# Altium PCB STM32MINI.PcbDoc (part 3 of 3)
Units mm, origin at the board's own origin, x right, y up, seen from the top; angles counter-clockwise.
Board outline 100.33 x 100 mm, 2 copper layers (Top Layer, Bottom Layer); 81 components, 96 nets, 408 pads, 94 vias.
Unrouted connection lines stored in the file: 4.
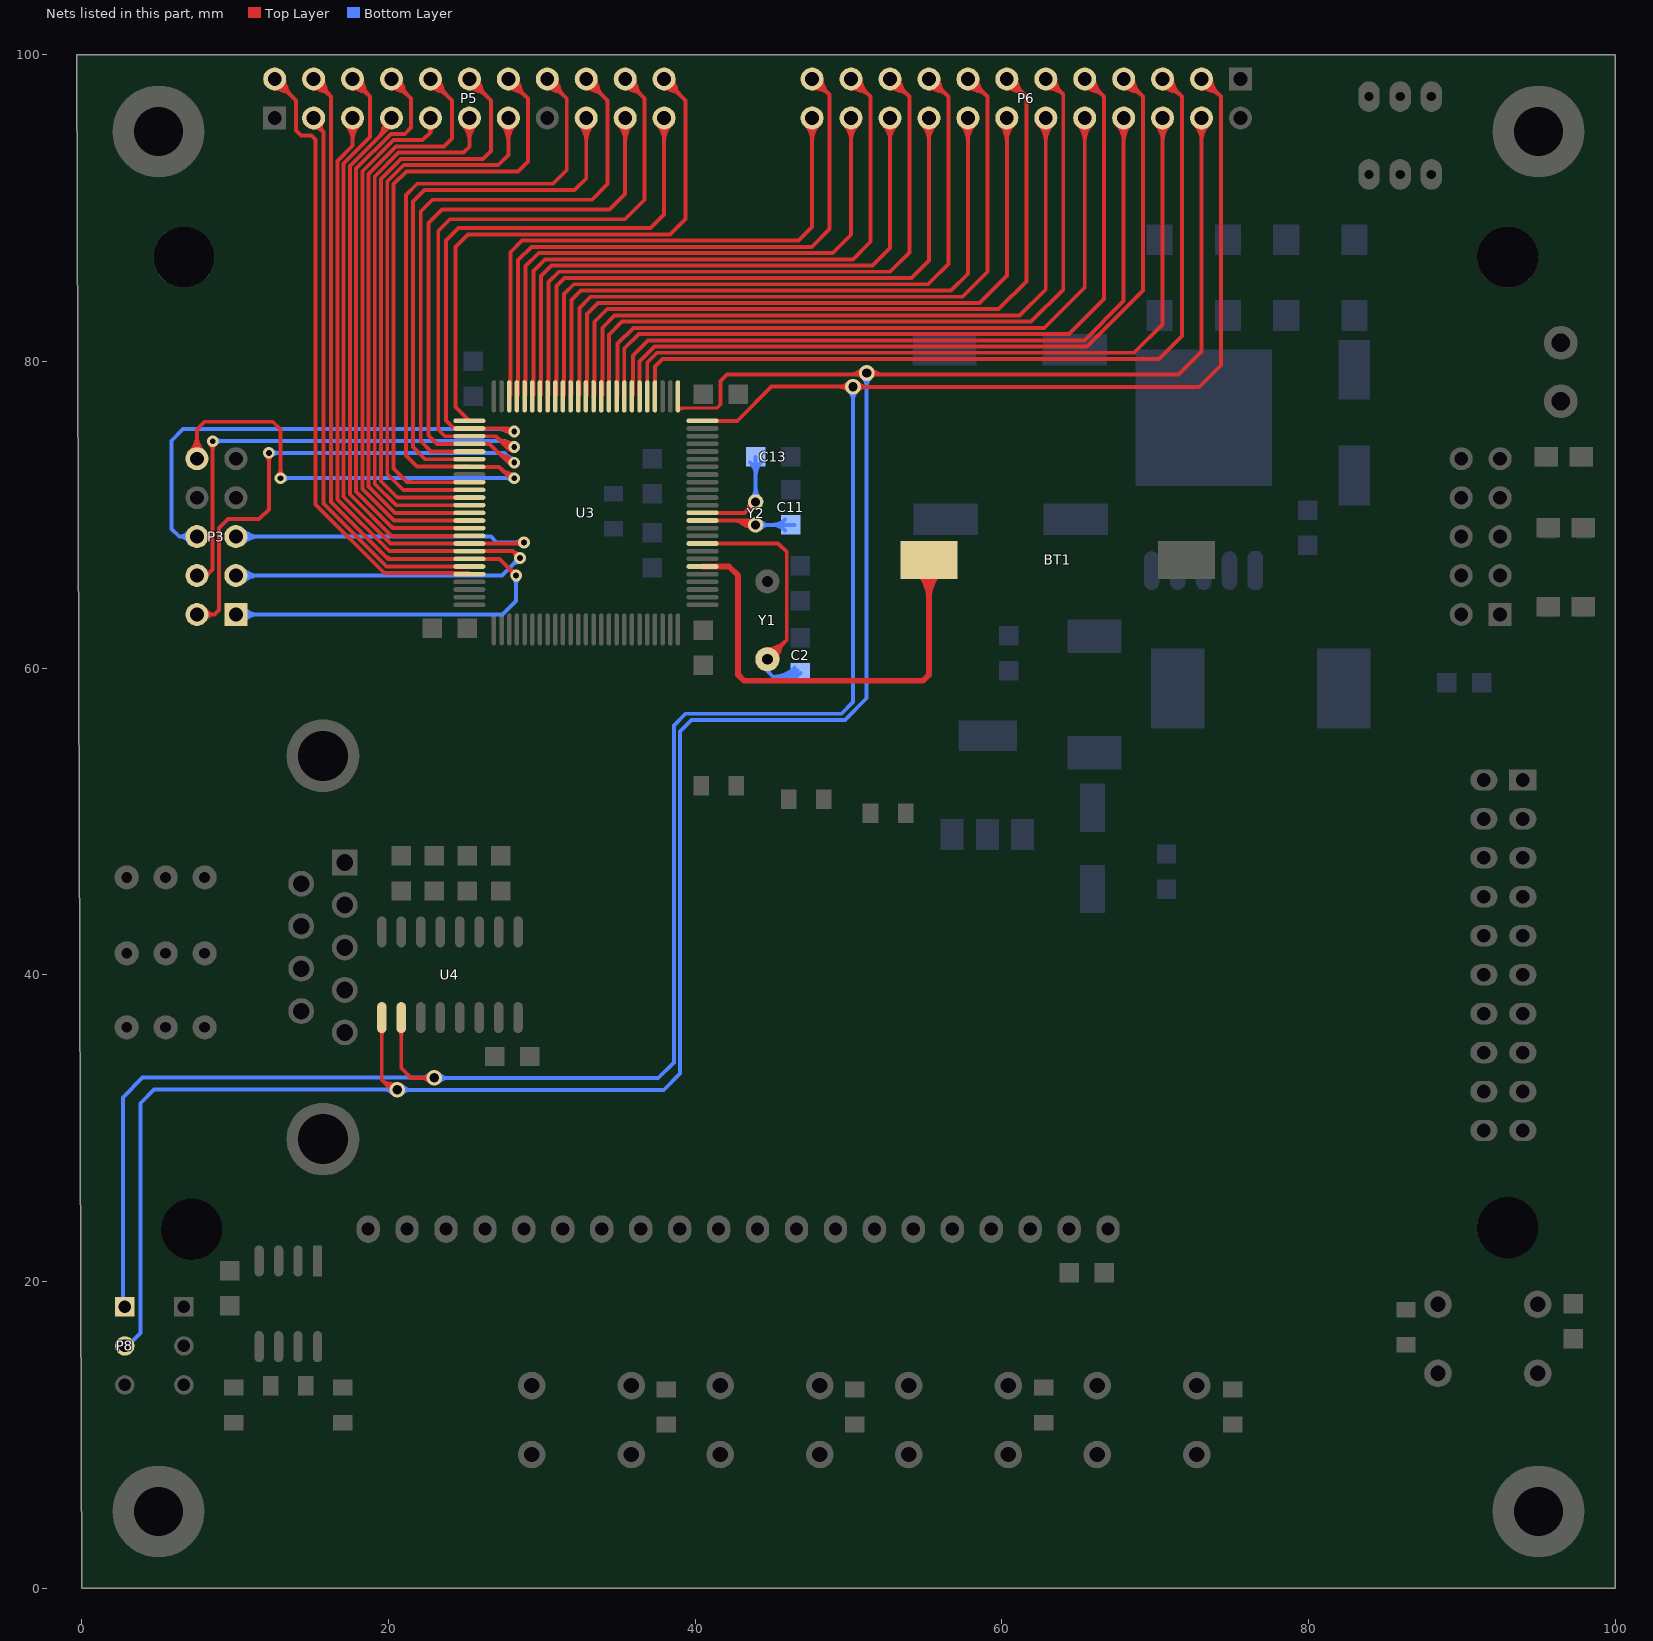
[diagram p3: the nets of this part, all layers, seen from the top]

## Via types
v1: diameter 0.762, hole 0.381, Top Layer to Bottom Layer, 38 vias
v2: diameter 0.635, hole 0.635, Top Layer to Bottom Layer, 32 vias
v3: diameter 1.016, hole 0.61, Top Layer to Bottom Layer, 15 vias
v4: diameter 1.27, hole 0.711, Top Layer to Bottom Layer, 9 vias

## Nets (pads, with @x,y where several pads share a name; then routed paths per layer and width w, separated by ;. In a path a pad name is that pad's centre, name@x,y a point inside that pad or via, vN(x,y) a via of type N, cw(c..) or ccw(c..) an arc to the next point about the centre after c; other vN are vias at no path point) (continued)
OSC32_OUT: C2.2 U3.9 Y1.1 | length 34.5
  Top Layer w0.254: U3.9@40.473,68.128 45.41,68.128 45.974,67.564 45.974,61.849 Y1.1@44.704,60.579 ; Y1.1@44.604,60.599 cw(c45.655,60.384) 45.377,61.42 ; Y1.1@44.724,60.479 ccw(c44.509,61.53) 45.545,61.252 ; 45.398,61.273 cw(c44.704,61.967) 44.704,60.985 ccw(c44.704,61.967) 45.398,61.273 ; 45.398,61.273 ccw(c46.092,60.579) 45.11,60.579 cw(c46.092,60.579) 45.398,61.273 ; 45.831,61.706 cw(c44.704,62.834) 44.704,61.239 ccw(c44.704,62.834) 45.831,61.706 ; 45.831,61.706 ccw(c46.959,60.579) 45.364,60.579 cw(c46.959,60.579) 45.831,61.706
  Bottom Layer w0.254: Y1.1@44.704,60.579 44.704,59.817 45.085,59.436 ; 46.194,59.569 ccw(c45.991,59.901) C2.2@46.369,59.809 ; 45.085,59.436 ccw(c45.085,61.383) 46.495,60.04 cw(c45.085,61.383) 45.085,59.436 ; 45.085,59.436 46.609,59.436 C2.2@46.863,59.69 ; C2.2@46.863,59.69 cw(c46.27,60.254) 46.27,59.436 ccw(c46.27,60.254) C2.2@46.863,59.69 ; 45.678,59.436 ccw(c45.678,60.819) 46.679,59.865 cw(c45.678,60.819) 45.678,59.436 ; C2.2@46.25,59.436 cw(c46.25,59.077) 46.504,59.331 ccw(c46.25,59.077) C2.2@46.25,59.436
OSC_IN: C11.2 U3.12 Y2.2 | length 19.8
  Top Layer w0.254: U3.12@40.473,69.628 43.656,69.628 Y2.2@43.942,69.342 ; 43.017,69.46 ccw(c43.266,69.891) Y2.2@43.653,69.577 ; 43.275,69.311 ccw(c43.5,69.701) Y2.2@43.85,69.417 ; Y2.2@43.581,69.247 ccw(c43.1,69.121) 43.349,69.552 ccw(c43.48,69.78) Y2.2@43.671,69.599 ; 42.351,69.628 cw(c42.351,67.751) 43.678,69.078 ccw(c42.351,67.751) 42.351,69.628 ; 42.964,69.628 cw(c42.964,68.364) 43.858,69.258 ccw(c42.964,68.364) 42.964,69.628
  Bottom Layer w0.254: Y2.2@43.942,69.342 C11.2@46.228,69.342 C11.2@46.482,69.342 ; 44.842,69.342 cw(c44.842,70.242) 44.206,69.606 ccw(c44.842,70.242) 44.842,69.342 ; 44.842,69.342 ccw(c44.842,68.442) 44.206,69.078 cw(c44.842,68.442) 44.842,69.342 ; 45.002,69.342 cw(c45.002,68.116) 45.869,68.983 ccw(c45.002,68.116) 45.002,69.342 ; 45.002,69.342 ccw(c45.002,70.568) 45.869,69.701 cw(c45.002,70.568) 45.002,69.342
OSC_OUT: C13.2 U3.13 Y2.1 | length 17.4
  Top Layer w0.254: U3.13@40.473,70.128 43.228,70.128 Y2.1@43.942,70.842 ; 43.5,70.583 cw(c44.024,70.443) Y2.1@43.915,70.974 ; 43.683,70.4 ccw(c43.543,70.924) Y2.1@44.074,70.815 ; 43.305,70.205 cw(c43.942,69.568) 43.942,70.469 ccw(c43.942,69.568) 43.305,70.205 ; 43.305,70.205 ccw(c42.669,70.842) 43.569,70.842 cw(c42.669,70.842) 43.305,70.205
  Bottom Layer w0.254: Y2.1@43.942,70.842 C13.2@43.942,73.787 ; 43.942,71.742 cw(c43.042,71.742) 43.678,71.106 ccw(c43.042,71.742) 43.942,71.742 ; 43.942,71.742 ccw(c44.842,71.742) 44.206,71.106 cw(c44.842,71.742) 43.942,71.742 ; 43.942,72.561 cw(c45.168,72.561) 44.301,73.428 ccw(c45.168,72.561) 43.942,72.561 ; 43.942,72.561 ccw(c42.716,72.561) 43.583,73.428 cw(c42.716,72.561) 43.942,72.561
PA2: P6.3 P8.1 U3.25 U4.10 | length 193.2
  Top Layer w0.254: U4.10@20.828,37.211 20.828,33.909 21.463,33.274 v3(22.987,33.274) ; U3.25@40.473,76.128 42.741,76.128 44.972,78.359 v3(50.292,78.359) 50.317,78.334 72.873,78.334 74.295,79.756 74.295,97.282 ; P6.3@72.891,98.387 ccw(c73.934,98.687) 73.66,97.637 ; P6.3@73.025,98.552 74.295,97.282 ; P6.3@73.042,98.563 cw(c72.931,97.687) 73.785,97.915 ; 20.828,36.071 cw(c21.257,36.071) 20.954,36.374 ccw(c21.257,36.071) 20.828,36.071 ; 20.828,36.071 ccw(c20.399,36.071) 20.702,36.374 cw(c20.399,36.071) 20.828,36.071 ; 22.067,33.274 cw(c22.067,32.354) 22.718,33.005 ccw(c22.067,32.354) 22.067,33.274 ; 22.067,33.274 ccw(c22.067,34.194) 22.718,33.543 cw(c22.067,34.194) 22.067,33.274 ; 49.372,78.359 cw(c49.372,77.439) 50.023,78.09 ccw(c49.372,77.439) 49.372,78.359 ; 49.372,78.359 ccw(c49.372,79.279) 50.023,78.628 cw(c49.372,79.279) 49.372,78.359 ; 74.295,97.282 ccw(c73.04,96.027) 73.029,97.802 cw(c73.04,96.027) 74.295,97.282 ; v3@50.561,78.09 cw(c51.15,77.501) 51.15,78.334 ccw(c51.15,77.501) v3@50.561,78.09 ; v3@50.561,78.628 ccw(c51.273,79.34) 51.273,78.334 cw(c51.273,79.34) v3@50.561,78.628 ; P6.3@73.027,98.056 cw(c73.034,96.881) 73.865,97.712 ccw(c73.034,96.881) P6.3@73.027,98.056 ; P6.3@73.648,98.425 ccw(c74.845,98.425) 73.999,97.578 cw(c74.845,98.425) P6.3@73.648,98.425
  Bottom Layer w0.254: P8.1@2.667,18.335 2.667,32.004 3.962,33.299 22.962,33.299 v3(22.987,33.274) 37.592,33.274 38.608,34.29 38.608,56.261 39.37,57.023 49.53,57.023 50.292,57.785 v3(50.292,78.359) ; 23.907,33.274 cw(c23.907,34.194) 23.256,33.543 ccw(c23.907,34.194) 23.907,33.274 ; 23.907,33.274 ccw(c23.907,32.354) 23.256,33.005 cw(c23.907,32.354) 23.907,33.274 ; 50.292,77.439 cw(c51.212,77.439) 50.561,78.09 ccw(c51.212,77.439) 50.292,77.439 ; 50.292,77.439 ccw(c49.372,77.439) 50.023,78.09 cw(c49.372,77.439) 50.292,77.439 ; 22.006,33.299 cw(c22.006,32.293) 22.718,33.005 ccw(c22.006,32.293) 22.006,33.299 ; 22.129,33.299 ccw(c22.129,34.132) 22.718,33.543 cw(c22.129,34.132) 22.129,33.299
PA3: P6.4 P8.2 U3.26 U4.9 | length 197.8
  Top Layer w0.203: U4.9@19.558,36.322 U4.9@19.558,37.211 ; U3.26@38.915,76.804 cw(c39.213,76.632) 39.124,76.964 ; 41.656,77.216 41.402,76.962 39.116,76.962 ; 39.116,76.962 ccw(c39.116,76.757) 38.919,76.814 cw(c39.116,76.757) 39.116,76.962 ; U3.26@38.907,76.794 cw(c39.313,76.388) 39.313,76.962 ccw(c39.313,76.388) U3.26@38.907,76.794
  Top Layer w0.254: U4.9@19.558,36.322 19.558,33.147 ; 20.004,32.898 cw(c19.975,31.948) v3@20.667,32.599 ; v3(20.574,32.512) 20.193,32.512 19.558,33.147 ; U3.26@38.873,77.205 U3.26@38.873,77.728 ; 41.656,77.216 41.656,78.74 42.062,79.146 71.526,79.146 73.025,80.645 P6.4@73.025,95.885 P6.4@73.025,96.012 ; 19.558,33.147 ccw(c20.259,33.848) 20.487,32.883 cw(c20.259,33.848) 19.558,33.147 ; 19.558,36.071 cw(c19.987,36.071) 19.684,36.374 ccw(c19.987,36.071) 19.558,36.071 ; 19.558,36.071 ccw(c19.129,36.071) 19.432,36.374 cw(c19.129,36.071) 19.558,36.071 ; 73.025,94.381 cw(c74.529,94.381) 73.466,95.444 ccw(c74.529,94.381) 73.025,94.381 ; 73.025,94.381 ccw(c71.521,94.381) 72.584,95.444 cw(c71.521,94.381) 73.025,94.381 ; 73.025,94.994 cw(c73.916,94.994) 73.286,95.624 ccw(c73.916,94.994) 73.025,94.994 ; 73.025,94.994 ccw(c72.134,94.994) 72.764,95.624 cw(c72.134,94.994) 73.025,94.994 ; 19.88,32.825 ccw(c20.382,33.326) 20.545,32.636 cw(c20.382,33.326) 19.88,32.825 ; 50.016,79.146 ccw(c50.016,80.413) 50.912,79.517 cw(c50.016,80.413) 50.016,79.146 ; 50.506,79.146 cw(c50.506,78.573) 50.912,78.979 ccw(c50.506,78.573) 50.506,79.146 ; 50.629,79.146 ccw(c50.629,79.8) 51.091,79.338 cw(c50.629,79.8) 50.629,79.146 ; v3@51.271,79.338 ccw(c51.733,79.8) 51.733,79.146 cw(c51.733,79.8) v3@51.271,79.338 ; v3@51.45,78.979 cw(c51.856,78.573) 51.856,79.146 ccw(c51.856,78.573) v3@51.45,78.979 ; v3@51.45,79.517 ccw(c52.346,80.413) 52.346,79.146 cw(c52.346,80.413) v3@51.45,79.517
  Bottom Layer w0.254: P8.2@2.794,15.795 2.968,15.795 3.81,16.637 3.81,31.623 4.699,32.512 v3(20.574,32.512) 20.599,32.487 37.948,32.487 39.014,33.553 39.014,55.88 39.751,56.617 49.759,56.617 51.181,58.039 v3(51.181,79.248) ; 19.654,32.512 cw(c19.654,31.592) 20.305,32.243 ccw(c19.654,31.592) 19.654,32.512 ; 19.654,32.512 ccw(c19.654,33.432) 20.305,32.781 cw(c19.654,33.432) 19.654,32.512 ; 51.181,78.328 cw(c52.101,78.328) 51.45,78.979 ccw(c52.101,78.328) 51.181,78.328 ; 51.181,78.328 ccw(c50.261,78.328) 50.912,78.979 cw(c50.261,78.328) 51.181,78.328 ; v3@20.843,32.243 cw(c21.432,31.654) 21.432,32.487 ccw(c21.432,31.654) v3@20.843,32.243 ; v3@20.843,32.781 ccw(c21.555,33.493) 21.555,32.487 cw(c21.555,33.493) v3@20.843,32.781
PA4: P6.5 U3.29 | length 63.3
  Top Layer w0.254: U3.29@37.373,77.728 37.373,79.664 37.871,80.162 70.256,80.162 71.755,81.661 71.755,97.282 ; P6.5@70.351,98.387 ccw(c71.394,98.687) 71.12,97.637 ; P6.5@70.485,98.552 71.755,97.282 ; P6.5@70.502,98.563 cw(c70.391,97.687) 71.245,97.915 ; 71.755,97.282 ccw(c70.5,96.027) 70.489,97.802 cw(c70.5,96.027) 71.755,97.282 ; P6.5@70.487,98.056 cw(c70.494,96.881) 71.325,97.712 ccw(c70.494,96.881) P6.5@70.487,98.056 ; P6.5@71.108,98.425 ccw(c72.305,98.425) 71.459,97.578 cw(c72.305,98.425) P6.5@71.108,98.425
PA5: P6.6 U3.30 | length 58
  Top Layer w0.254: U3.30@36.873,77.728 36.873,79.926 37.516,80.569 68.631,80.569 70.485,82.423 P6.6@70.485,95.885 P6.6@70.485,96.012 ; 70.485,94.381 cw(c71.989,94.381) 70.926,95.444 ccw(c71.989,94.381) 70.485,94.381 ; 70.485,94.381 ccw(c68.981,94.381) 70.044,95.444 cw(c68.981,94.381) 70.485,94.381 ; 70.485,94.994 cw(c71.376,94.994) 70.746,95.624 ccw(c71.376,94.994) 70.485,94.994 ; 70.485,94.994 ccw(c69.594,94.994) 70.224,95.624 cw(c69.594,94.994) 70.485,94.994
PA6: P6.7 U3.31 | length 60.2
  Top Layer w0.254: U3.31@36.373,77.728 36.373,80.001 37.347,80.975 65.548,80.975 69.215,84.642 69.215,97.282 ; P6.7@67.811,98.387 ccw(c68.854,98.687) 68.58,97.637 ; P6.7@67.945,98.552 69.215,97.282 ; P6.7@67.962,98.563 cw(c67.851,97.687) 68.705,97.915 ; 69.215,97.282 ccw(c67.96,96.027) 67.949,97.802 cw(c67.96,96.027) 69.215,97.282 ; P6.7@67.947,98.056 cw(c67.954,96.881) 68.785,97.712 ccw(c67.954,96.881) P6.7@67.947,98.056 ; P6.7@68.568,98.425 ccw(c69.765,98.425) 68.919,97.578 cw(c69.765,98.425) P6.7@68.568,98.425
PA7: P6.8 U3.32 | length 56.2
  Top Layer w0.254: U3.32@35.873,77.728 35.944,77.799 35.944,80.394 36.932,81.382 65.38,81.382 67.945,83.947 P6.8@67.945,95.885 P6.8@67.945,96.012 ; 67.945,94.381 cw(c69.449,94.381) 68.386,95.444 ccw(c69.449,94.381) 67.945,94.381 ; 67.945,94.381 ccw(c66.441,94.381) 67.504,95.444 cw(c66.441,94.381) 67.945,94.381 ; 67.945,94.994 cw(c68.836,94.994) 68.206,95.624 ccw(c68.836,94.994) 67.945,94.994 ; 67.945,94.994 ccw(c67.054,94.994) 67.684,95.624 cw(c67.054,94.994) 67.945,94.994 ; U3.32@35.857,78.644 ccw(c35.647,78.854) 35.944,78.854 cw(c35.647,78.854) U3.32@35.857,78.644
PA11: P5.3 U3.70 | length 41.4
  Top Layer w0.254: P5.3@14.974,95.882 ccw(c15.756,95.899) 15.553,95.144 ; P5.3@15.113,95.885 15.113,95.606 15.748,94.971 ; U3.70@25.273,66.628 19.865,66.628 15.748,70.745 15.748,94.971 ; 15.748,94.971 cw(c16.115,95.337) 15.66,95.586 ccw(c16.115,95.337) 15.748,94.971 ; P5.3@15.113,95.262 cw(c15.113,94.432) 15.7,95.019 ccw(c15.113,94.432) P5.3@15.113,95.262 ; P5.3@15.437,95.708 ccw(c15.805,95.507) 15.508,95.21 cw(c15.805,95.507) P5.3@15.437,95.708
PA12: P5.2 U3.71 | length 51.3
  Top Layer w0.254: P5.2@12.437,98.397 ccw(c13.393,98.593) 13.141,97.65 ; P5.2@12.573,98.425 13.97,97.028 13.97,95.072 14.3,94.742 14.986,94.742 15.24,94.488 15.24,70.679 19.72,66.199 25.202,66.199 U3.71@25.273,66.128 ; P5.2@12.601,98.561 cw(c12.405,97.605) 13.348,97.857 ; 13.203,97.795 cw(c13.833,98.425) 12.942,98.425 ccw(c13.833,98.425) 13.203,97.795 ; 13.203,97.795 ccw(c12.573,97.165) 12.573,98.056 cw(c12.573,97.165) 13.203,97.795 ; 13.637,97.361 cw(c14.7,98.425) 13.196,98.425 ccw(c14.7,98.425) 13.637,97.361 ; 13.637,97.361 ccw(c12.573,96.298) 12.573,97.802 cw(c12.573,96.298) 13.637,97.361 ; 24.147,66.199 cw(c24.147,65.902) 24.357,66.112 ccw(c24.147,65.902) 24.147,66.199
PB0: P6.11 U3.35 | length 57.3
  Top Layer w0.254: U3.35@34.373,77.728 34.373,81.744 35.23,82.601 61.9,82.601 64.008,84.709 64.008,97.409 ; P6.11@62.743,98.359 ccw(c63.939,99.007) 63.704,97.667 ; P6.11@62.865,98.552 64.008,97.409 ; P6.11@62.882,98.563 cw(c62.771,97.687) 63.625,97.915 ; 64.008,97.409 ccw(c63.041,96.442) 62.92,97.804 cw(c63.041,96.442) 64.008,97.409 ; P6.11@62.898,98.057 cw(c62.978,97.148) 63.623,97.794 ccw(c62.978,97.148) P6.11@62.898,98.057 ; P6.11@63.488,98.425 ccw(c64.685,98.425) 63.839,97.578 cw(c64.685,98.425) P6.11@63.488,98.425
PB1: P6.12 U3.36 | length 53.8
  Top Layer w0.254: U3.36@33.873,77.728 33.944,77.799 33.944,82.204 34.747,83.007 61.163,83.007 62.865,84.709 P6.12@62.865,95.885 P6.12@62.865,96.012 ; 62.865,94.381 cw(c64.369,94.381) 63.306,95.444 ccw(c64.369,94.381) 62.865,94.381 ; 62.865,94.381 ccw(c61.361,94.381) 62.424,95.444 cw(c61.361,94.381) 62.865,94.381 ; 62.865,94.994 cw(c63.756,94.994) 63.126,95.624 ccw(c63.756,94.994) 62.865,94.994 ; 62.865,94.994 ccw(c61.974,94.994) 62.604,95.624 cw(c61.974,94.994) 62.865,94.994 ; U3.36@33.857,78.644 ccw(c33.647,78.854) 33.944,78.854 cw(c33.647,78.854) U3.36@33.857,78.644
PB2: P6.13 U3.37 | length 57.2
  Top Layer w0.254: U3.37@33.373,77.728 33.444,77.799 33.444,82.593 34.265,83.414 59.792,83.414 61.595,85.217 61.595,97.282 ; P6.13@60.191,98.387 ccw(c61.234,98.687) 60.96,97.637 ; P6.13@60.325,98.552 61.595,97.282 ; P6.13@60.342,98.563 cw(c60.231,97.687) 61.085,97.915 ; 61.595,97.282 ccw(c60.34,96.027) 60.329,97.802 cw(c60.34,96.027) 61.595,97.282 ; U3.37@33.357,78.644 ccw(c33.147,78.854) 33.444,78.854 cw(c33.147,78.854) U3.37@33.357,78.644 ; P6.13@60.327,98.056 cw(c60.334,96.881) 61.165,97.712 ccw(c60.334,96.881) P6.13@60.327,98.056 ; P6.13@60.948,98.425 ccw(c62.145,98.425) 61.299,97.578 cw(c62.145,98.425) P6.13@60.948,98.425
PB10: P6.23 U3.47 | length 49.1
  Top Layer w0.254: U3.47@28.373,77.728 28.444,77.799 28.444,86.61 29.312,87.478 47.6,87.478 48.768,88.646 48.768,97.409 ; P6.23@47.503,98.359 ccw(c48.699,99.007) 48.464,97.667 ; P6.23@47.625,98.552 48.768,97.409 ; P6.23@47.642,98.563 cw(c47.531,97.687) 48.385,97.915 ; 48.768,97.409 ccw(c47.801,96.442) 47.68,97.804 cw(c47.801,96.442) 48.768,97.409 ; U3.47@28.357,78.644 ccw(c28.147,78.854) 28.444,78.854 cw(c28.147,78.854) U3.47@28.357,78.644 ; P6.23@47.658,98.057 cw(c47.738,97.148) 48.383,97.794 ccw(c47.738,97.148) P6.23@47.658,98.057 ; P6.23@48.248,98.425 ccw(c49.445,98.425) 48.599,97.578 cw(c49.445,98.425) P6.23@48.248,98.425
PB11: P6.24 U3.48 | length 45
  Top Layer w0.254: U3.48@27.873,77.728 27.944,77.799 27.944,87.126 28.702,87.884 46.736,87.884 47.625,88.773 P6.24@47.625,95.885 P6.24@47.625,96.012 ; 47.625,94.381 cw(c49.129,94.381) 48.066,95.444 ccw(c49.129,94.381) 47.625,94.381 ; 47.625,94.381 ccw(c46.121,94.381) 47.184,95.444 cw(c46.121,94.381) 47.625,94.381 ; 47.625,94.994 cw(c48.516,94.994) 47.886,95.624 ccw(c48.516,94.994) 47.625,94.994 ; 47.625,94.994 ccw(c46.734,94.994) 47.364,95.624 cw(c46.734,94.994) 47.625,94.994 ; U3.48@27.857,78.644 ccw(c27.647,78.854) 27.944,78.854 cw(c27.647,78.854) U3.48@27.857,78.644
PC4: P6.9 U3.33 | length 59.5
  Top Layer w0.254: U3.33@35.373,77.728 35.373,80.839 36.322,81.788 64.389,81.788 66.675,84.074 66.675,97.282 ; P6.9@65.271,98.387 ccw(c66.314,98.687) 66.04,97.637 ; P6.9@65.405,98.552 66.675,97.282 ; P6.9@65.422,98.563 cw(c65.311,97.687) 66.165,97.915 ; 66.675,97.282 ccw(c65.42,96.027) 65.409,97.802 cw(c65.42,96.027) 66.675,97.282 ; P6.9@65.407,98.056 cw(c65.414,96.881) 66.245,97.712 ccw(c65.414,96.881) P6.9@65.407,98.056 ; P6.9@66.028,98.425 ccw(c67.225,98.425) 66.379,97.578 cw(c67.225,98.425) P6.9@66.028,98.425
PC5: P6.10 U3.34 | length 54.6
  Top Layer w0.254: U3.34@34.873,77.728 34.944,77.799 34.944,81.172 35.966,82.194 62.763,82.194 65.405,84.836 P6.10@65.405,95.885 P6.10@65.405,96.012 ; 65.405,94.381 cw(c66.909,94.381) 65.846,95.444 ccw(c66.909,94.381) 65.405,94.381 ; 65.405,94.381 ccw(c63.901,94.381) 64.964,95.444 cw(c63.901,94.381) 65.405,94.381 ; 65.405,94.994 cw(c66.296,94.994) 65.666,95.624 ccw(c66.296,94.994) 65.405,94.994 ; 65.405,94.994 ccw(c64.514,94.994) 65.144,95.624 cw(c64.514,94.994) 65.405,94.994 ; U3.34@34.857,78.644 ccw(c34.647,78.854) 34.944,78.854 cw(c34.647,78.854) U3.34@34.857,78.644
PC6: P5.10 U3.63 | length 48.2
  Top Layer w0.254: P5.10@22.597,98.397 ccw(c23.553,98.593) 23.301,97.65 ; P5.10@22.733,98.425 24.13,97.028 24.13,94.539 23.622,94.031 20.485,94.031 18.694,92.24 18.694,71.85 20.417,70.128 U3.63@25.273,70.128 ; P5.10@22.761,98.561 cw(c22.565,97.605) 23.508,97.857 ; 23.363,97.795 cw(c23.993,98.425) 23.102,98.425 ccw(c23.993,98.425) 23.363,97.795 ; 23.363,97.795 ccw(c22.733,97.165) 22.733,98.056 cw(c22.733,97.165) 23.363,97.795 ; 23.797,97.361 cw(c24.86,98.425) 23.356,98.425 ccw(c24.86,98.425) 23.797,97.361 ; 23.797,97.361 ccw(c22.733,96.298) 22.733,97.802 cw(c22.733,96.298) 23.797,97.361
PC7: P5.9 U3.64 | length 36.9
  Top Layer w0.254: P5.9@22.733,95.885 22.733,94.945 ; U3.64@25.273,69.628 20.342,69.628 18.288,71.682 18.288,92.409 20.317,94.437 22.225,94.437 22.733,94.945 ; 22.733,94.945 cw(c23.13,94.945) 22.976,95.311 ccw(c23.13,94.945) 22.733,94.945 ; 22.733,94.945 ccw(c22.336,94.945) 22.49,95.311 cw(c22.336,94.945) 22.733,94.945
PC8: P5.8 U3.65 | length 47.5
  Top Layer w0.254: P5.8@20.057,98.397 ccw(c21.013,98.593) 20.761,97.65 ; P5.8@20.193,98.425 21.463,97.155 21.463,95.25 21.057,94.844 20.148,94.844 17.882,92.577 17.882,71.513 20.196,69.199 20.267,69.199 ; P5.8@20.221,98.561 cw(c20.025,97.605) 20.968,97.857 ; 20.267,69.128 U3.65@25.273,69.128 ; 20.823,97.795 cw(c21.453,98.425) 20.562,98.425 ccw(c21.453,98.425) 20.823,97.795 ; 20.823,97.795 ccw(c20.193,97.165) 20.193,98.056 cw(c20.193,97.165) 20.823,97.795 ; 21.257,97.361 cw(c22.32,98.425) 20.816,98.425 ccw(c22.32,98.425) 21.257,97.361 ; 21.257,97.361 ccw(c20.193,96.298) 20.193,97.802 cw(c20.193,96.298) 21.257,97.361
PC9: P5.7 U3.66 | length 40.5
  Top Layer w0.254: 19.637,95.186 cw(c20.44,94.971) P5.7@20.223,95.774 ; P5.7@20.193,95.885 20.193,95.463 17.475,92.745 17.475,71.345 20.192,68.628 U3.66@25.273,68.628 ; 19.265,94.535 ccw(c17.915,95.885) 19.824,95.885 cw(c17.915,95.885) 19.265,94.535 ; 19.698,94.969 ccw(c18.782,95.885) 20.078,95.885 cw(c18.782,95.885) 19.698,94.969
PD8: P5.18 U3.55 | length 48.5
  Top Layer w0.254: U3.55@25.273,74.128 22.773,74.128 22.098,74.803 22.098,89.789 22.86,90.551 33.274,90.551 34.29,91.567 34.29,97.028 P5.18@32.893,98.425 ; P5.18@32.757,98.397 ccw(c33.713,98.593) 33.461,97.65 ; P5.18@32.921,98.561 cw(c32.725,97.605) 33.668,97.857 ; 33.523,97.795 cw(c34.153,98.425) 33.262,98.425 ccw(c34.153,98.425) 33.523,97.795 ; 33.523,97.795 ccw(c32.893,97.165) 32.893,98.056 cw(c32.893,97.165) 33.523,97.795 ; 33.957,97.361 cw(c35.02,98.425) 33.516,98.425 ccw(c35.02,98.425) 33.957,97.361 ; 33.957,97.361 ccw(c32.893,96.298) 32.893,97.802 cw(c32.893,96.298) 33.957,97.361
PD9: P5.17 U3.56 | length 43.4
  Top Layer w0.254: U3.56@25.273,73.628 22.384,73.628 21.59,74.422 21.59,90.424 22.352,91.186 32.131,91.186 32.893,91.948 P5.17@32.893,95.885 ; 32.893,94.381 cw(c34.397,94.381) 33.334,95.444 ccw(c34.397,94.381) 32.893,94.381 ; 32.893,94.381 ccw(c31.389,94.381) 32.452,95.444 cw(c31.389,94.381) 32.893,94.381 ; 32.893,94.994 cw(c33.784,94.994) 33.154,95.624 ccw(c33.784,94.994) 32.893,94.994 ; 32.893,94.994 ccw(c32.002,94.994) 32.632,95.624 cw(c32.002,94.994) 32.893,94.994
PD12: P5.14 U3.59 | length 48.8
  Top Layer w0.254: U3.59@25.273,72.128 21.471,72.128 21.463,72.136 21.209,72.136 20.32,73.025 20.32,91.567 21.158,92.405 28.448,92.405 29.083,93.04 29.083,97.155 P5.14@27.813,98.425 ; P5.14@27.677,98.397 ccw(c28.633,98.593) 28.381,97.65 ; P5.14@27.841,98.561 cw(c27.645,97.605) 28.588,97.857 ; 28.443,97.795 cw(c29.073,98.425) 28.182,98.425 ccw(c29.073,98.425) 28.443,97.795 ; 28.443,97.795 ccw(c27.813,97.165) 27.813,98.056 cw(c27.813,97.165) 28.443,97.795 ; 28.877,97.361 cw(c29.94,98.425) 28.436,98.425 ccw(c29.94,98.425) 28.877,97.361 ; 28.877,97.361 ccw(c27.813,96.298) 27.813,97.802 cw(c27.813,96.298) 28.877,97.361
PD13: P5.13 U3.60 | length 43.4
  Top Layer w0.254: U3.60@25.273,71.628 20.955,71.628 19.914,72.669 19.914,91.735 20.99,92.812 27.153,92.812 27.813,93.472 P5.13@27.813,95.885 ; 27.813,94.381 cw(c29.317,94.381) 28.254,95.444 ccw(c29.317,94.381) 27.813,94.381 ; 27.813,94.381 ccw(c26.309,94.381) 27.372,95.444 cw(c26.309,94.381) 27.813,94.381 ; 27.813,94.994 cw(c28.704,94.994) 28.074,95.624 ccw(c28.704,94.994) 27.813,94.994 ; 27.813,94.994 ccw(c26.922,94.994) 27.552,95.624 cw(c26.922,94.994) 27.813,94.994
PD14: P5.12 U3.61 | length 48.8
  Top Layer w0.254: P5.12@25.137,98.397 ccw(c26.093,98.593) 25.841,97.65 ; U3.61@25.273,71.128 20.566,71.128 19.507,72.187 19.507,91.904 20.822,93.218 26.162,93.218 26.67,93.726 26.67,97.028 P5.12@25.273,98.425 ; P5.12@25.301,98.561 cw(c25.105,97.605) 26.048,97.857 ; 25.903,97.795 cw(c26.533,98.425) 25.642,98.425 ccw(c26.533,98.425) 25.903,97.795 ; 25.903,97.795 ccw(c25.273,97.165) 25.273,98.056 cw(c25.273,97.165) 25.903,97.795 ; 26.337,97.361 cw(c27.4,98.425) 25.896,98.425 ccw(c27.4,98.425) 26.337,97.361 ; 26.337,97.361 ccw(c25.273,96.298) 25.273,97.802 cw(c25.273,96.298) 26.337,97.361
PD15: P5.11 U3.62 | length 43.2
  Top Layer w0.254: U3.62@25.273,70.628 20.491,70.628 19.101,72.018 19.101,92.072 20.653,93.624 24.892,93.624 25.273,94.005 P5.11@25.273,95.885 ; 25.273,94.381 cw(c26.777,94.381) 25.714,95.444 ccw(c26.777,94.381) 25.273,94.381 ; 25.273,94.381 ccw(c23.769,94.381) 24.832,95.444 cw(c23.769,94.381) 25.273,94.381 ; 25.273,94.994 cw(c26.164,94.994) 25.534,95.624 ccw(c26.164,94.994) 25.273,94.994 ; 25.273,94.994 ccw(c24.382,94.994) 25.012,95.624 cw(c24.382,94.994) 25.273,94.994
PE7: P6.14 U3.38 | length 52.2
  Top Layer w0.254: U3.38@32.873,77.728 32.944,77.799 32.944,83.109 33.655,83.82 58.547,83.82 60.325,85.598 P6.14@60.325,95.885 P6.14@60.325,96.012 ; 60.325,94.381 cw(c61.829,94.381) 60.766,95.444 ccw(c61.829,94.381) 60.325,94.381 ; 60.325,94.381 ccw(c58.821,94.381) 59.884,95.444 cw(c58.821,94.381) 60.325,94.381 ; 60.325,94.994 cw(c61.216,94.994) 60.586,95.624 ccw(c61.216,94.994) 60.325,94.994 ; 60.325,94.994 ccw(c59.434,94.994) 60.064,95.624 cw(c59.434,94.994) 60.325,94.994 ; U3.38@32.857,78.644 ccw(c32.647,78.854) 32.944,78.854 cw(c32.647,78.854) U3.38@32.857,78.644
PE8: P6.15 U3.39 | length 55.8
  Top Layer w0.254: U3.39@32.373,77.728 32.444,77.799 32.444,83.498 33.172,84.226 57.429,84.226 59.055,85.852 59.055,97.282 ; P6.15@57.651,98.387 ccw(c58.694,98.687) 58.42,97.637 ; P6.15@57.785,98.552 59.055,97.282 ; P6.15@57.802,98.563 cw(c57.691,97.687) 58.545,97.915 ; 59.055,97.282 ccw(c57.8,96.027) 57.789,97.802 cw(c57.8,96.027) 59.055,97.282 ; U3.39@32.357,78.644 ccw(c32.147,78.854) 32.444,78.854 cw(c32.147,78.854) U3.39@32.357,78.644 ; P6.15@57.787,98.056 cw(c57.794,96.881) 58.625,97.712 ccw(c57.794,96.881) P6.15@57.787,98.056 ; P6.15@58.408,98.425 ccw(c59.605,98.425) 58.759,97.578 cw(c59.605,98.425) P6.15@58.408,98.425
PE9: P6.16 U3.40 | length 51.1
  Top Layer w0.254: U3.40@31.873,77.728 31.944,77.799 31.944,84.014 32.563,84.633 56.693,84.633 57.785,85.725 P6.16@57.785,95.885 P6.16@57.785,96.012 ; 57.785,94.381 cw(c59.289,94.381) 58.226,95.444 ccw(c59.289,94.381) 57.785,94.381 ; 57.785,94.381 ccw(c56.281,94.381) 57.344,95.444 cw(c56.281,94.381) 57.785,94.381 ; 57.785,94.994 cw(c58.676,94.994) 58.046,95.624 ccw(c58.676,94.994) 57.785,94.994 ; 57.785,94.994 ccw(c56.894,94.994) 57.524,95.624 cw(c56.894,94.994) 57.785,94.994 ; U3.40@31.857,78.644 ccw(c31.647,78.854) 31.944,78.854 cw(c31.647,78.854) U3.40@31.857,78.644
PE10: P6.17 U3.41 | length 54.5
  Top Layer w0.254: U3.41@31.373,77.728 31.444,77.799 31.444,84.403 32.08,85.039 55.194,85.039 56.515,86.36 56.515,97.282 ; P6.17@55.111,98.387 ccw(c56.154,98.687) 55.88,97.637 ; P6.17@55.245,98.552 56.515,97.282 ; P6.17@55.262,98.563 cw(c55.151,97.687) 56.005,97.915 ; 56.515,97.282 ccw(c55.26,96.027) 55.249,97.802 cw(c55.26,96.027) 56.515,97.282 ; U3.41@31.357,78.644 ccw(c31.147,78.854) 31.444,78.854 cw(c31.147,78.854) U3.41@31.357,78.644 ; P6.17@55.247,98.056 cw(c55.254,96.881) 56.085,97.712 ccw(c55.254,96.881) P6.17@55.247,98.056 ; P6.17@55.868,98.425 ccw(c57.065,98.425) 56.219,97.578 cw(c57.065,98.425) P6.17@55.868,98.425
PE11: P6.18 U3.42 | length 49.6
  Top Layer w0.254: U3.42@30.873,77.728 30.944,77.799 30.944,84.919 31.471,85.446 54.102,85.446 55.245,86.589 P6.18@55.245,95.885 P6.18@55.245,96.012 ; 55.245,94.381 cw(c56.749,94.381) 55.686,95.444 ccw(c56.749,94.381) 55.245,94.381 ; 55.245,94.381 ccw(c53.741,94.381) 54.804,95.444 cw(c53.741,94.381) 55.245,94.381 ; 55.245,94.994 cw(c56.136,94.994) 55.506,95.624 ccw(c56.136,94.994) 55.245,94.994 ; 55.245,94.994 ccw(c54.354,94.994) 54.984,95.624 cw(c54.354,94.994) 55.245,94.994 ; U3.42@30.857,78.644 ccw(c30.647,78.854) 30.944,78.854 cw(c30.647,78.854) U3.42@30.857,78.644
PE12: P6.19 U3.43 | length 53
  Top Layer w0.254: U3.43@30.373,77.728 30.444,77.799 30.444,85.181 31.115,85.852 52.705,85.852 53.975,87.122 53.975,97.282 ; P6.19@52.571,98.387 ccw(c53.614,98.687) 53.34,97.637 ; P6.19@52.705,98.552 53.975,97.282 ; P6.19@52.722,98.563 cw(c52.611,97.687) 53.465,97.915 ; 53.975,97.282 ccw(c52.72,96.027) 52.709,97.802 cw(c52.72,96.027) 53.975,97.282 ; U3.43@30.357,78.644 ccw(c30.147,78.854) 30.444,78.854 cw(c30.147,78.854) U3.43@30.357,78.644 ; P6.19@52.707,98.056 cw(c52.714,96.881) 53.545,97.712 ccw(c52.714,96.881) P6.19@52.707,98.056 ; P6.19@53.328,98.425 ccw(c54.525,98.425) 53.679,97.578 cw(c54.525,98.425) P6.19@53.328,98.425
PE13: P6.20 U3.44 | length 48
  Top Layer w0.254: U3.44@29.873,77.728 29.944,77.799 29.944,85.57 30.632,86.258 51.562,86.258 52.705,87.401 P6.20@52.705,95.885 P6.20@52.705,96.012 ; 52.705,94.381 cw(c54.209,94.381) 53.146,95.444 ccw(c54.209,94.381) 52.705,94.381 ; 52.705,94.381 ccw(c51.201,94.381) 52.264,95.444 cw(c51.201,94.381) 52.705,94.381 ; 52.705,94.994 cw(c53.596,94.994) 52.966,95.624 ccw(c53.596,94.994) 52.705,94.994 ; 52.705,94.994 ccw(c51.814,94.994) 52.444,95.624 cw(c51.814,94.994) 52.705,94.994 ; U3.44@29.857,78.644 ccw(c29.647,78.854) 29.944,78.854 cw(c29.647,78.854) U3.44@29.857,78.644
PE14: P6.21 U3.45 | length 51.4
  Top Layer w0.254: U3.45@29.373,77.728 29.444,77.799 29.444,85.898 30.21,86.665 50.292,86.665 51.435,87.808 51.435,97.282 ; P6.21@50.031,98.387 ccw(c51.074,98.687) 50.8,97.637 ; P6.21@50.165,98.552 51.435,97.282 ; P6.21@50.182,98.563 cw(c50.071,97.687) 50.925,97.915 ; 51.435,97.282 ccw(c50.18,96.027) 50.169,97.802 cw(c50.18,96.027) 51.435,97.282 ; U3.45@29.357,78.644 ccw(c29.147,78.854) 29.444,78.854 cw(c29.147,78.854) U3.45@29.357,78.644 ; P6.21@50.167,98.056 cw(c50.174,96.881) 51.005,97.712 ccw(c50.174,96.881) P6.21@50.167,98.056 ; P6.21@50.788,98.425 ccw(c51.985,98.425) 51.139,97.578 cw(c51.985,98.425) P6.21@50.788,98.425
PE15: P6.22 U3.46 | length 46.3
  Top Layer w0.254: U3.46@28.873,77.728 28.944,77.799 28.944,86.221 29.794,87.071 48.971,87.071 50.165,88.265 P6.22@50.165,95.885 P6.22@50.165,96.012 ; 50.165,94.381 cw(c51.669,94.381) 50.606,95.444 ccw(c51.669,94.381) 50.165,94.381 ; 50.165,94.381 ccw(c48.661,94.381) 49.724,95.444 cw(c48.661,94.381) 50.165,94.381 ; 50.165,94.994 cw(c51.056,94.994) 50.426,95.624 ccw(c51.056,94.994) 50.165,94.994 ; 50.165,94.994 ccw(c49.274,94.994) 49.904,95.624 cw(c49.274,94.994) 50.165,94.994 ; U3.46@28.857,78.644 ccw(c28.647,78.854) 28.944,78.854 cw(c28.647,78.854) U3.46@28.857,78.644
PWM_UN: P3.6 P5.21 U3.52 | length 86.1
  Top Layer w0.254: 27.571,75.514 ccw(c27.736,75.799) v1@27.995,75.595 ; P5.21@37.973,95.885 37.973,89.586 37.084,88.697 24.562,88.697 23.749,87.884 23.749,76.145 24.266,75.628 U3.52@25.273,75.628 27.75,75.628 ; 27.75,75.628 ccw(c27.888,75.766) 28.02,75.623 cw(c27.888,75.766) 27.75,75.628 ; 27.75,75.628 27.94,75.438 v1(28.194,75.438) ; v1(28.194,75.438) ccw(c27.735,74.979) 27.735,75.628 cw(c27.735,74.979) v1(28.194,75.438) ; 37.973,94.381 cw(c39.477,94.381) 38.414,95.444 ccw(c39.477,94.381) 37.973,94.381 ; 37.973,94.381 ccw(c36.469,94.381) 37.532,95.444 cw(c36.469,94.381) 37.973,94.381 ; 37.973,94.994 cw(c38.864,94.994) 38.234,95.624 ccw(c38.864,94.994) 37.973,94.994 ; 37.973,94.994 ccw(c37.082,94.994) 37.712,95.624 cw(c37.082,94.994) 37.973,94.994 ; 24.151,75.743 ccw(c24.373,75.965) 24.373,75.651 cw(c24.373,75.965) 24.151,75.743 ; 27.122,75.628 cw(c27.122,74.366) 28.014,75.258 ccw(c27.122,74.366) 27.122,75.628
  Bottom Layer w0.254: P3.6@7.5,68.58 6.35,68.58 ; 27.629,75.481 ccw(c27.757,75.703) v1@27.977,75.57 ; 6.35,68.58 cw(c6.35,67.83) 6.978,68.24 ccw(c6.35,67.83) 6.35,68.58 ; 6.35,68.58 ccw(c6.35,69.33) 6.978,68.92 cw(c6.35,69.33) 6.35,68.58 ; 6.35,68.58 5.842,69.088 5.842,74.828 6.604,75.59 28.042,75.59 v1(28.194,75.438) ; v1(28.194,75.438) ccw(c27.826,75.07) 27.826,75.59 cw(c27.826,75.07) v1(28.194,75.438) ; 27.213,75.59 cw(c27.213,74.457) 28.014,75.258 ccw(c27.213,74.457) 27.213,75.59
PWM_UP: P3.5 P5.6 U3.67 | length 82.1
  Top Layer w0.254: P3.5@9.525,68.58 P3.5@9.977,68.128 ; P5.6@17.517,98.397 ccw(c18.473,98.593) 18.221,97.65 ; P5.6@17.653,98.425 18.796,97.282 18.796,94.641 17.069,92.914 17.069,71.177 20.118,68.128 U3.67@25.273,68.128 28.758,68.128 v1(28.829,68.199) ; P5.6@17.681,98.561 cw(c17.485,97.605) 18.428,97.857 ; 18.283,97.795 cw(c18.913,98.425) 18.022,98.425 ccw(c18.913,98.425) 18.283,97.795 ; 18.283,97.795 ccw(c17.653,97.165) 17.653,98.056 cw(c17.653,97.165) 18.283,97.795 ; 18.717,97.361 cw(c19.78,98.425) 18.276,98.425 ccw(c19.78,98.425) 18.717,97.361 ; 18.717,97.361 ccw(c17.653,96.298) 17.653,97.802 cw(c17.653,96.298) 18.717,97.361 ; 28.044,68.128 ccw(c28.044,68.984) 28.649,68.379 cw(c28.044,68.984) 28.044,68.128 ; 28.387,68.128 cw(c28.387,67.757) 28.649,68.019 ccw(c28.387,67.757) 28.387,68.128
  Bottom Layer w0.254: P3.5@10.04,68.58 26.67,68.58 27.051,68.199 v1(28.829,68.199) ; 10.931,68.58 cw(c10.931,69.471) 10.301,68.841 ccw(c10.931,69.471) 10.931,68.58 ; 10.931,68.58 ccw(c10.931,67.689) 10.301,68.319 cw(c10.931,67.689) 10.931,68.58 ; 11.544,68.58 cw(c11.544,70.084) 10.481,69.021 ccw(c11.544,70.084) 11.544,68.58 ; 11.544,68.58 ccw(c11.544,67.076) 10.481,68.139 cw(c11.544,67.076) 11.544,68.58 ; 28.216,68.199 cw(c28.216,67.586) 28.649,68.019 ccw(c28.216,67.586) 28.216,68.199 ; 28.216,68.199 ccw(c28.216,68.812) 28.649,68.379 cw(c28.216,68.812) 28.216,68.199
PWM_VN: P3.4 P5.20 U3.53 | length 93.5
  Top Layer w0.254: P3.4@7.5,66.04 8.128,66.04 8.529,66.441 v1(8.529,74.803) ; 27.662,74.779 cw(c27.496,73.958) v1(28.194,74.422) ; v1@27.972,74.299 ccw(c27.564,74.074) 27.656,74.53 ccw(c27.748,74.987) v1@28.037,74.621 ; P5.20@35.297,98.397 ccw(c36.253,98.593) 36.001,97.65 ; P5.20@35.433,98.425 36.703,97.155 36.703,90.551 35.433,89.281 24.003,89.281 23.241,88.519 23.241,75.565 23.678,75.128 U3.53@25.273,75.128 26.98,75.128 ; P5.20@35.461,98.561 cw(c35.265,97.605) 36.208,97.857 ; 8.529,74.19 cw(c9.143,74.19) 8.709,74.623 ccw(c9.143,74.19) 8.529,74.19 ; 8.529,74.19 ccw(c7.916,74.19) 8.35,74.623 cw(c7.916,74.19) 8.529,74.19 ; 26.98,75.128 ccw(c28.08,76.228) 28.178,74.675 cw(c28.08,76.228) 26.98,75.128 ; 26.98,75.128 27.686,74.422 ; 27.686,74.422 cw(c27.686,74.041) 27.991,74.27 ccw(c27.686,74.041) 27.686,74.422 ; 27.686,74.422 ccw(c27.686,74.803) 27.991,74.574 cw(c27.686,74.803) 27.686,74.422 ; 27.686,74.422 v1(28.194,74.422) ; v1(28.194,74.422) cw(c28.127,75.48) 27.378,74.73 ccw(c28.127,75.48) v1(28.194,74.422) ; 36.063,97.795 cw(c36.693,98.425) 35.802,98.425 ccw(c36.693,98.425) 36.063,97.795 ; 36.063,97.795 ccw(c35.433,97.165) 35.433,98.056 cw(c35.433,97.165) 36.063,97.795 ; 36.497,97.361 cw(c37.56,98.425) 36.056,98.425 ccw(c37.56,98.425) 36.497,97.361 ; 36.497,97.361 ccw(c35.433,96.298) 35.433,97.802 cw(c35.433,96.298) 36.497,97.361 ; 27.775,74.333 ccw(c28.174,74.732) 28.21,74.169 cw(c28.174,74.732) 27.775,74.333
  Bottom Layer w0.254: v1(8.529,74.803) 27.559,74.803 ; v1(28.194,74.422) 27.94,74.422 27.559,74.803 ; 9.143,74.803 cw(c9.143,75.416) 8.709,74.983 ccw(c9.143,75.416) 9.143,74.803 ; 9.143,74.803 ccw(c9.143,74.19) 8.709,74.623 cw(c9.143,74.19) 9.143,74.803 ; 27.559,74.803 ccw(c27.954,75.197) 28.119,74.665 cw(c27.954,75.197) 27.559,74.803
PWM_VP: P3.3 P5.5 U3.68 | length 77.7
  Top Layer w0.254: P5.5@17.653,95.885 17.653,94.073 16.662,93.082 16.662,71.008 20.043,67.628 U3.68@25.273,67.628 28.13,67.628 v1(28.575,67.183) ; 28.235,67.503 ccw(c28.664,67.618) v1(28.575,67.183) ; 28.255,67.523 cw(c28.14,67.094) v1(28.575,67.183) ; 17.653,94.381 cw(c19.157,94.381) 18.094,95.444 ccw(c19.157,94.381) 17.653,94.381 ; 17.653,94.381 ccw(c16.149,94.381) 17.212,95.444 cw(c16.149,94.381) 17.653,94.381 ; 17.653,94.994 cw(c18.544,94.994) 17.914,95.624 ccw(c18.544,94.994) 17.653,94.994 ; 17.653,94.994 ccw(c16.762,94.994) 17.392,95.624 cw(c16.762,94.994) 17.653,94.994 ; 28.141,67.617 cw(c27.708,67.183) 28.321,67.183 ccw(c27.708,67.183) 28.141,67.617 ; 28.141,67.617 ccw(c28.575,68.05) 28.575,67.437 cw(c28.575,68.05) 28.141,67.617
  Bottom Layer w0.254: P3.3@10.04,66.04 27.387,66.04 28.53,67.183 v1(28.575,67.183) ; 10.931,66.04 cw(c10.931,66.931) 10.301,66.301 ccw(c10.931,66.931) 10.931,66.04 ; 10.931,66.04 ccw(c10.931,65.149) 10.301,65.779 cw(c10.931,65.149) 10.931,66.04 ; 11.544,66.04 cw(c11.544,67.544) 10.481,66.481 ccw(c11.544,67.544) 11.544,66.04 ; 11.544,66.04 ccw(c11.544,64.536) 10.481,65.599 cw(c11.544,64.536) 11.544,66.04 ; 28.065,66.718 cw(c28.575,66.207) 28.575,66.929 ccw(c28.575,66.207) 28.065,66.718 ; 28.173,66.826 ccw(c27.816,67.183) 28.321,67.183 cw(c27.816,67.183) 28.173,66.826
PWM_WN: P3.2 P5.19 U3.54 | length 90.9
  Top Layer w0.254: P3.2@7.239,63.5 P3.2@7.5,63.5 8.636,63.5 ; v1(12.192,74.041) 12.192,70.358 11.557,69.723 9.525,69.723 8.936,69.134 8.936,63.8 8.636,63.5 ; 27.685,73.796 cw(c27.469,72.987) v1(28.194,73.406) ; v1@27.954,73.324 ccw(c27.651,73.221) 27.734,73.529 ccw(c27.817,73.838) v1@28.027,73.597 ; P5.19@35.433,95.885 35.433,90.932 34.417,89.916 23.495,89.916 22.606,89.027 22.606,75.184 23.162,74.628 U3.54@25.273,74.628 26.591,74.628 27.813,73.406 v1(28.194,73.406) ; 8.636,63.5 cw(c8.636,64.224) 8.025,63.835 ccw(c8.636,64.224) 8.636,63.5 ; 8.636,63.5 ccw(c8.636,62.776) 8.025,63.165 cw(c8.636,62.776) 8.636,63.5 ; 12.192,73.428 cw(c12.805,73.428) 12.372,73.861 ccw(c12.805,73.428) 12.192,73.428 ; 12.192,73.428 ccw(c11.579,73.428) 12.012,73.861 cw(c11.579,73.428) 12.192,73.428 ; v1(28.194,73.406) cw(c28.194,74.326) 27.544,73.675 ccw(c28.194,74.326) v1(28.194,73.406) ; 35.433,94.381 cw(c36.937,94.381) 35.874,95.444 ccw(c36.937,94.381) 35.433,94.381 ; 35.433,94.381 ccw(c33.929,94.381) 34.992,95.444 cw(c33.929,94.381) 35.433,94.381 ; 35.433,94.994 cw(c36.324,94.994) 35.694,95.624 ccw(c36.324,94.994) 35.433,94.994 ; 35.433,94.994 ccw(c34.542,94.994) 35.172,95.624 cw(c34.542,94.994) 35.433,94.994 ; 27.11,74.109 ccw(c28.194,75.193) 28.194,73.66 cw(c28.194,75.193) 27.11,74.109
  Bottom Layer w0.254: v1(12.192,74.041) 27.559,74.041 v1(28.194,73.406) ; 12.805,74.041 cw(c12.805,74.654) 12.372,74.221 ccw(c12.805,74.654) 12.805,74.041 ; 12.805,74.041 ccw(c12.805,73.428) 12.372,73.861 cw(c12.805,73.428) 12.805,74.041 ; 27.76,73.84 cw(c27.327,73.406) 27.94,73.406 ccw(c27.327,73.406) 27.76,73.84 ; 27.76,73.84 ccw(c28.194,74.273) 28.194,73.66 cw(c28.194,74.273) 27.76,73.84
PWM_WP: P3.1 P5.4 U3.69 | length 84.9
  Top Layer w0.254: P3.1@9.525,63.5 P3.1@10.04,63.5 ; P5.4@14.977,98.397 ccw(c15.933,98.593) 15.681,97.65 ; P5.4@15.113,98.425 16.256,97.282 16.256,70.84 19.875,67.222 19.968,67.222 ; P5.4@15.141,98.561 cw(c14.945,97.605) 15.888,97.857 ; 19.968,67.128 U3.69@25.273,67.128 27.233,67.128 v1(28.321,66.04) ; 27.981,66.36 ccw(c28.41,66.475) v1(28.321,66.04) ; 28.001,66.38 cw(c27.886,65.951) v1(28.321,66.04) ; 15.743,97.795 cw(c16.373,98.425) 15.482,98.425 ccw(c16.373,98.425) 15.743,97.795 ; 15.743,97.795 ccw(c15.113,97.165) 15.113,98.056 cw(c15.113,97.165) 15.743,97.795 ; 16.177,97.361 cw(c17.24,98.425) 15.736,98.425 ccw(c17.24,98.425) 16.177,97.361 ; 16.177,97.361 ccw(c15.113,96.298) 15.113,97.802 cw(c15.113,96.298) 16.177,97.361 ; 27.887,66.474 cw(c27.454,66.04) 28.067,66.04 ccw(c27.454,66.04) 27.887,66.474 ; 27.887,66.474 ccw(c28.321,66.907) 28.321,66.294 cw(c28.321,66.907) 27.887,66.474
  Bottom Layer w0.254: P3.1@10.04,63.5 27.432,63.5 28.321,64.389 v1(28.321,66.04) ; 10.931,63.5 cw(c10.931,64.391) 10.301,63.761 ccw(c10.931,64.391) 10.931,63.5 ; 10.931,63.5 ccw(c10.931,62.609) 10.301,63.239 cw(c10.931,62.609) 10.931,63.5 ; 11.544,63.5 cw(c11.544,65.004) 10.481,63.941 ccw(c11.544,65.004) 11.544,63.5 ; 11.544,63.5 ccw(c11.544,61.996) 10.481,63.059 cw(c11.544,61.996) 11.544,63.5 ; 28.321,65.427 cw(c28.934,65.427) 28.501,65.86 ccw(c28.934,65.427) 28.321,65.427 ; 28.321,65.427 ccw(c27.708,65.427) 28.141,65.86 cw(c27.708,65.427) 28.321,65.427
SWITCH: P3.10 P5.16 U3.57 | length 95
  Top Layer w0.254: P3.10@7.5,73.66 7.5,75.572 8.001,76.073 12.446,76.073 12.954,75.565 v1(12.954,72.39) ; 27.723,72.77 cw(c27.53,72.05) v1(28.194,72.39) ; P5.16@30.217,98.397 ccw(c31.173,98.593) 30.921,97.65 ; P5.16@30.353,98.425 31.623,97.155 31.623,92.481 30.734,91.592 21.869,91.592 21.133,90.856 21.133,73.863 21.845,73.151 25.25,73.151 U3.57@25.273,73.128 27.202,73.128 27.94,72.39 v1(28.194,72.39) ; P5.16@30.381,98.561 cw(c30.185,97.605) 31.128,97.857 ; 7.5,74.551 cw(c6.609,74.551) 7.239,73.921 ccw(c6.609,74.551) 7.5,74.551 ; 7.5,74.551 ccw(c8.391,74.551) 7.761,73.921 cw(c8.391,74.551) 7.5,74.551 ; 7.5,75.164 cw(c5.996,75.164) 7.059,74.101 ccw(c5.996,75.164) 7.5,75.164 ; 7.5,75.164 ccw(c9.004,75.164) 7.941,74.101 cw(c9.004,75.164) 7.5,75.164 ; 12.954,73.003 cw(c12.341,73.003) 12.774,72.57 ccw(c12.341,73.003) 12.954,73.003 ; 12.954,73.003 ccw(c13.567,73.003) 13.134,72.57 cw(c13.567,73.003) 12.954,73.003 ; v1(28.194,72.39) cw(c28.194,73.003) 27.76,72.57 ccw(c28.194,73.003) v1(28.194,72.39) ; 30.983,97.795 cw(c31.613,98.425) 30.722,98.425 ccw(c31.613,98.425) 30.983,97.795 ; 30.983,97.795 ccw(c30.353,97.165) 30.353,98.056 cw(c30.353,97.165) 30.983,97.795 ; 31.417,97.361 cw(c32.48,98.425) 30.976,98.425 ccw(c32.48,98.425) 31.417,97.361 ; 31.417,97.361 ccw(c30.353,96.298) 30.353,97.802 cw(c30.353,96.298) 31.417,97.361 ; 27.327,73.003 ccw(c28.194,73.87) 28.194,72.644 cw(c28.194,73.87) 27.327,73.003
  Bottom Layer w0.254: v1(12.954,72.39) v1(28.194,72.39) ; 13.567,72.39 cw(c13.567,73.003) 13.134,72.57 ccw(c13.567,73.003) 13.567,72.39 ; 13.567,72.39 ccw(c13.567,71.777) 13.134,72.21 cw(c13.567,71.777) 13.567,72.39 ; 27.581,72.39 cw(c27.581,71.777) 28.014,72.21 ccw(c27.581,71.777) 27.581,72.39 ; 27.581,72.39 ccw(c27.581,73.003) 28.014,72.57 cw(c27.581,73.003) 27.581,72.39
VBAT: BT1.1 U3.6 | length 42.5
  Top Layer w0.381: U3.6@40.473,66.628 42.211,66.628 42.799,66.04 42.799,59.563 43.18,59.182 54.864,59.182 55.245,59.563 BT1.1@55.245,67.056 ; 55.245,64.498 cw(c57.803,64.498) 55.994,66.307 ccw(c57.803,64.498) 55.245,64.498 ; 55.245,64.498 ccw(c52.687,64.498) 54.496,66.307 cw(c52.687,64.498) 55.245,64.498 ; 55.245,65.418 cw(c56.883,65.418) 55.725,66.576 ccw(c56.883,65.418) 55.245,65.418 ; 55.245,65.418 ccw(c53.607,65.418) 54.765,66.576 cw(c53.607,65.418) 55.245,65.418
WORK_SINGLE: P5.22 U3.51 | length 46.9
  Top Layer w0.254: U3.51@25.273,76.128 24.361,77.04 24.361,87.48 25.171,88.29 38.354,88.29 39.37,89.306 39.37,97.028 P5.22@37.973,98.425 ; P5.22@37.837,98.397 ccw(c38.793,98.593) 38.541,97.65 ; P5.22@38.001,98.561 cw(c37.805,97.605) 38.748,97.857 ; 38.603,97.795 cw(c39.233,98.425) 38.342,98.425 ccw(c39.233,98.425) 38.603,97.795 ; 38.603,97.795 ccw(c37.973,97.165) 37.973,98.056 cw(c37.973,97.165) 38.603,97.795 ; 39.037,97.361 cw(c40.1,98.425) 38.596,98.425 ccw(c40.1,98.425) 39.037,97.361 ; 39.037,97.361 ccw(c37.973,96.298) 37.973,97.802 cw(c37.973,96.298) 39.037,97.361
pads on no net: 1.0 1.3 1.7 1.8 1.9 1.10 1.11 1.12 1.13 1.14 1.16 1.18 D7.2 J1.1 J1.2 J1.3 J1.4 J1.8 J1.9 P7.11 P7.17 P7.19 S1.3A S1.3B U1. U3.2 U3.3 U3.4 U3.5 U3.7 U3.18 U3.73 U3.81 U3.82 U3.83 U3.84 U3.85 U3.86 U3.87 U3.88 U4.11 U4.12 U4.13 U4.14

## Keep-outs
Keep-Out Layer:
  lines w0.1: 0,5 ccw(c5,5) 5,0 95,0 ccw(c95,5) 100,5 100,95 ccw(c95,95) 95,100 5,100 ccw(c5,95) 0,95 0,5

## Silkscreen, mask and mechanical layers (free items; w line width, h text height)
Top Overlay:
  text "5V" at 97.282,70.866 h2.03
  text "GND" at 88.519,70.739 h2.03 r90
  text "5V" at 93.98,67.31 h2.03 r270
  text "3.3V" at 96.774,66.167 h2.03
  text "3.3V" at 88.392,64.643 h2.03 r90
  text "Work" at 95.885,61.214 h2.03
  text "AD2" at 11.049,48.133 h2.03 r270
  text "AD1" at 11.049,43.18 h2.03 r270
  text "AD0" at 11.049,38.481 h2.03 r270
  text "UART2" at 1.524,25.019 h2.03 r270
  text "485" at 4.191,22.733 h2.03 r270
  text "T" at 0,18.923 h2.03 r270
  text "B" at 4.064,18.542 h2.03 r270
  text "A" at 4.064,16.383 h2.03 r270
  text "R" at 0,16.129 h2.03 r270
  text "GND" at 0,13.462 h2.03 r270
  text "GND" at 4.064,13.462 h2.03 r270
  text "REST" at 90.043,11.43 h2.03
  text "ENTER" at 30.353,4.699 h2.03
  text "UP" at 43.688,4.699 h2.03
  text "DOWN" at 54.864,4.681 h2.03
  text "BACK" at 67.818,4.681 h2.03
Bottom Overlay:
  text "24V" at 91.694,81.026 h2.03 r90
  text "GND" at 88.519,74.295 h2.03 r90
  text "3.3V" at 88.138,67.945 h2.03 r90
  text "5V" at 93.98,65.786 h2.03 r270

## Text inside footprints (layer, text, board x,y; h text height)
1: Top Overlay "20" at 17.142,25.444 h2.03
BT1: Top Overlay "+" at 58.844,65.989 h2.03 r180; Top Overlay "-" at 67.607,65.888 h2.03 r180
CP1: Mechanical 1 "C1" at 83.443,76.549 h2.03 r90
CP2: Mechanical 1 "C1" at 66.363,48.78 h2.03 r90
CP3: Mechanical 1 "C1" at 60.096,70.079 h2.03 r180
CP4: Mechanical 1 "C1" at 60.028,81.128 h2.03 r180
J1: Bottom Overlay "1" at 20.598,47.573 h2.03 r90; Bottom Overlay "5" at 20.598,36.743 h2.03 r90; Bottom Overlay "9" at 11.198,38.128 h2.03 r90; Bottom Overlay "6" at 11.198,46.438 h2.03 r90
P3: Top Overlay "2" at 8.008,60.96 h2.03 r90; Top Overlay "1" at 10.548,61.468 h2.03 r90; Top Overlay "9" at 10.548,75.184 h2.03 r90; Top Overlay "10" at 8.008,75.184 h2.03 r90
P4: Top Overlay "2" at 90.468,60.96 h2.03 r90; Top Overlay "1" at 93.008,61.468 h2.03 r90; Top Overlay "9" at 93.008,75.184 h2.03 r90; Top Overlay "10" at 90.468,75.184 h2.03 r90
P5: Top Overlay "1" at 10.033,95.377 h2.03; Top Overlay "2" at 10.033,97.917 h2.03; Top Overlay "21" at 39.497,95.377 h2.03; Top Overlay "22" at 39.497,97.917 h2.03
P6: Top Overlay "1" at 77.343,97.79 h2.03; Top Overlay "2" at 77.216,95.25 h2.03; Top Overlay "23" at 43.815,98.044 h2.03; Top Overlay "24" at 43.942,95.123 h2.03